# Altium PCB Main - Backup.PcbDoc (part 1 of 4)
Units mil, origin at the board's own origin, x right, y up, seen from the top; angles counter-clockwise.
Board outline 3937.01 x 2362.21 mil, 2 copper layers (Top Layer, Bottom Layer); 313 components, 187 nets, 894 pads, 443 vias.
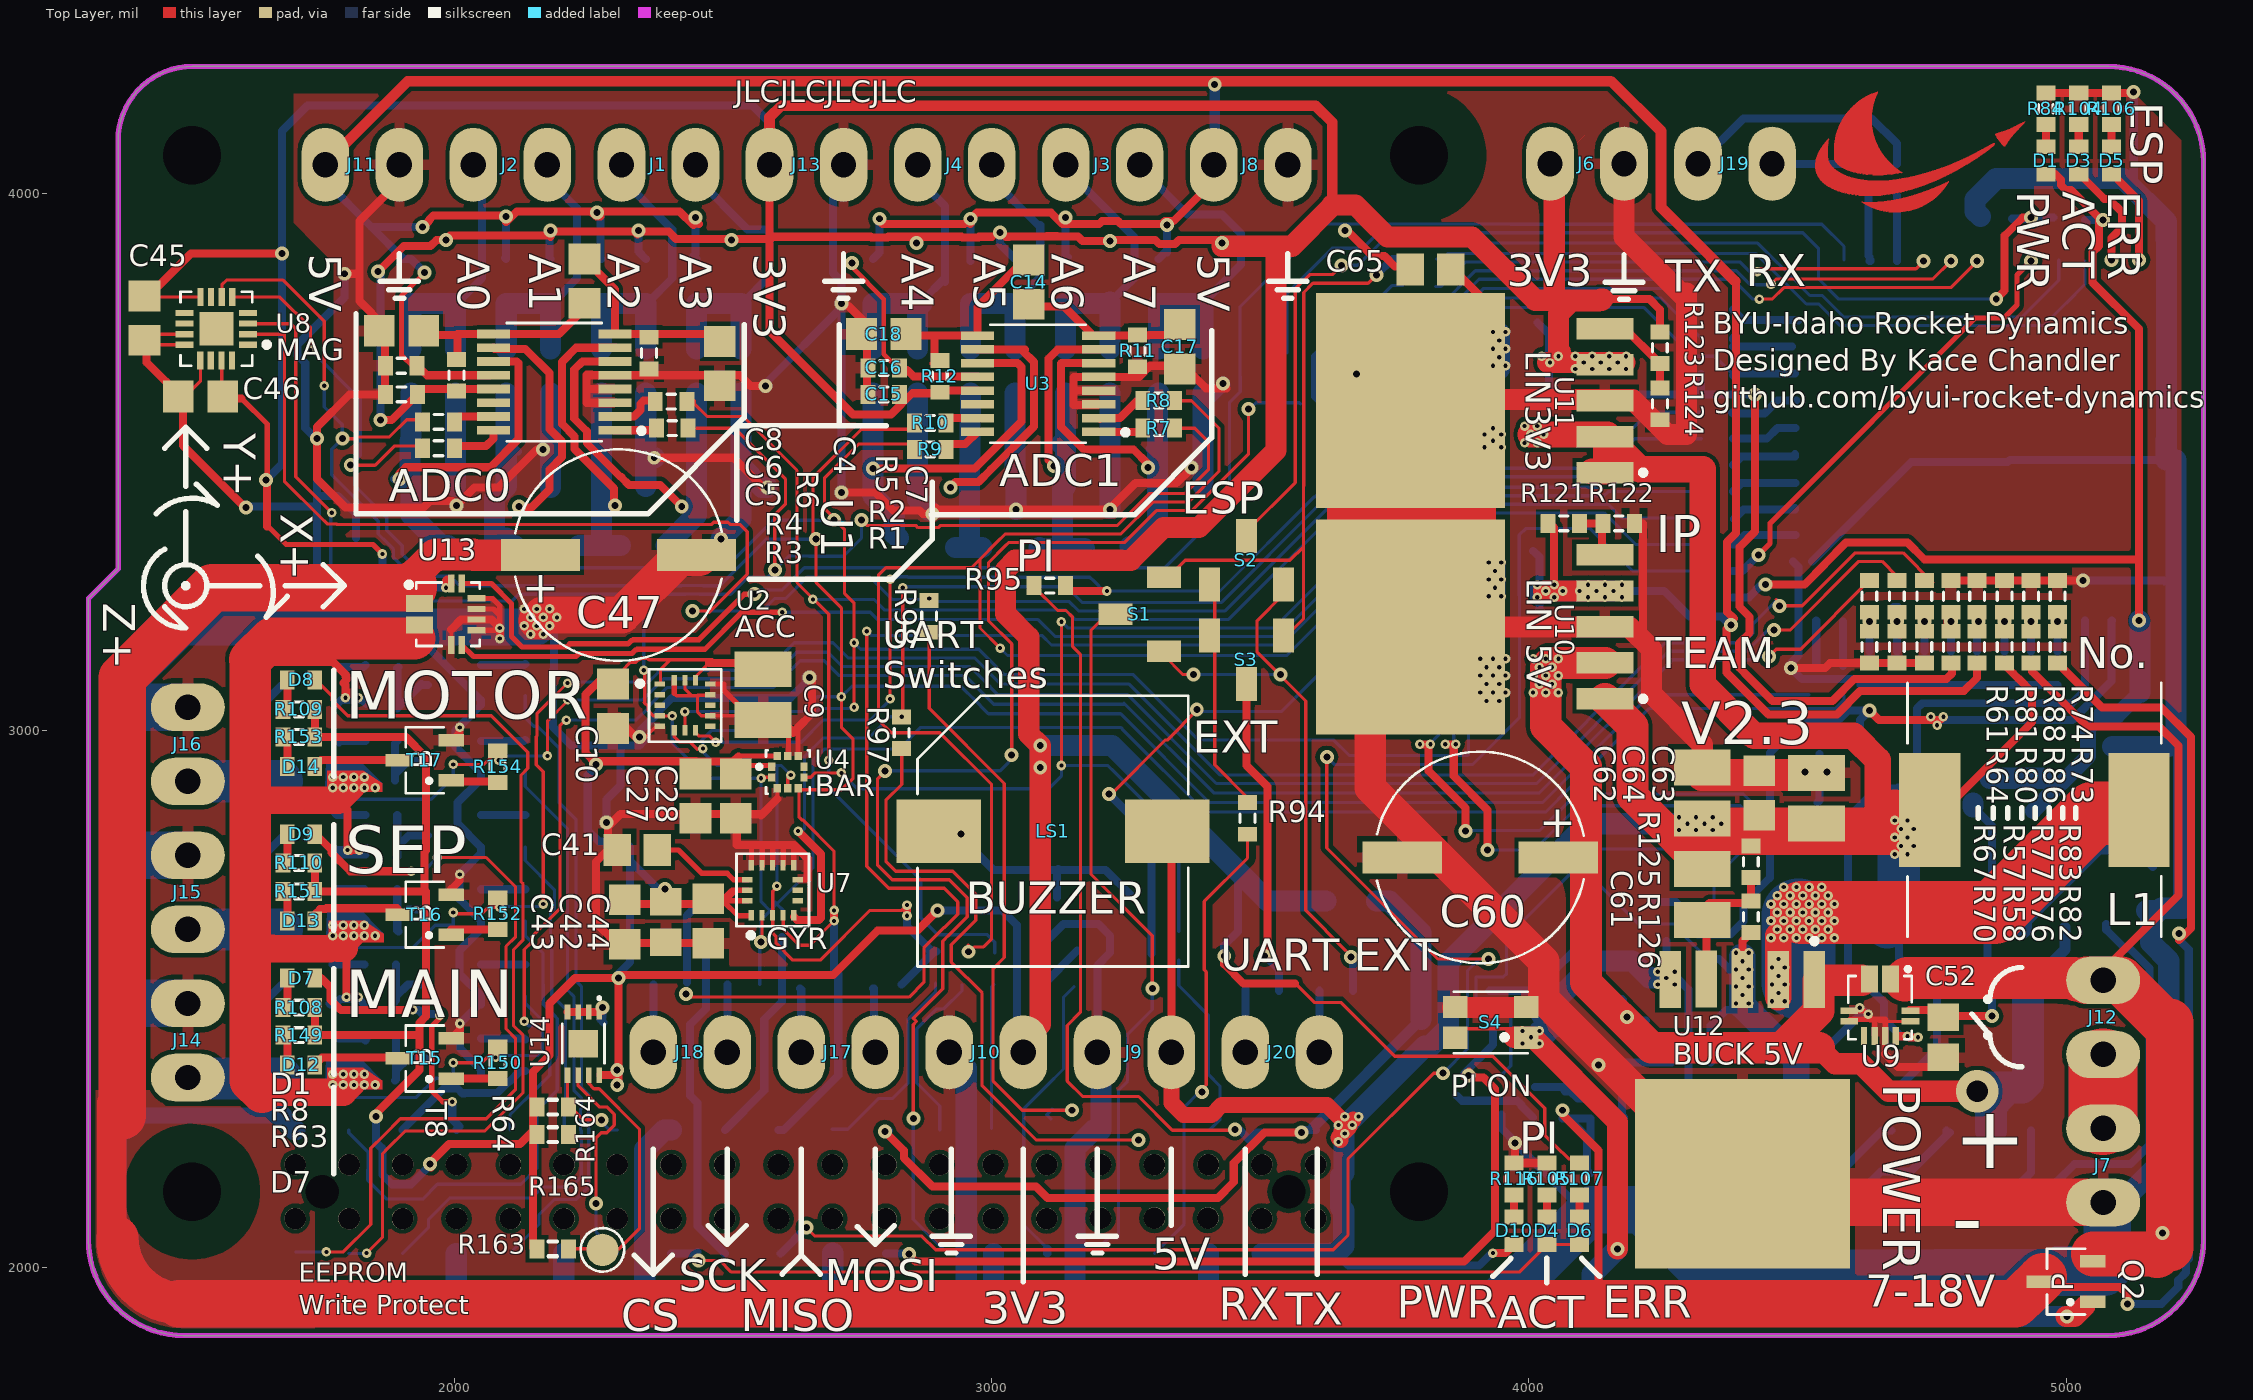
[diagram p0: Top Layer view]
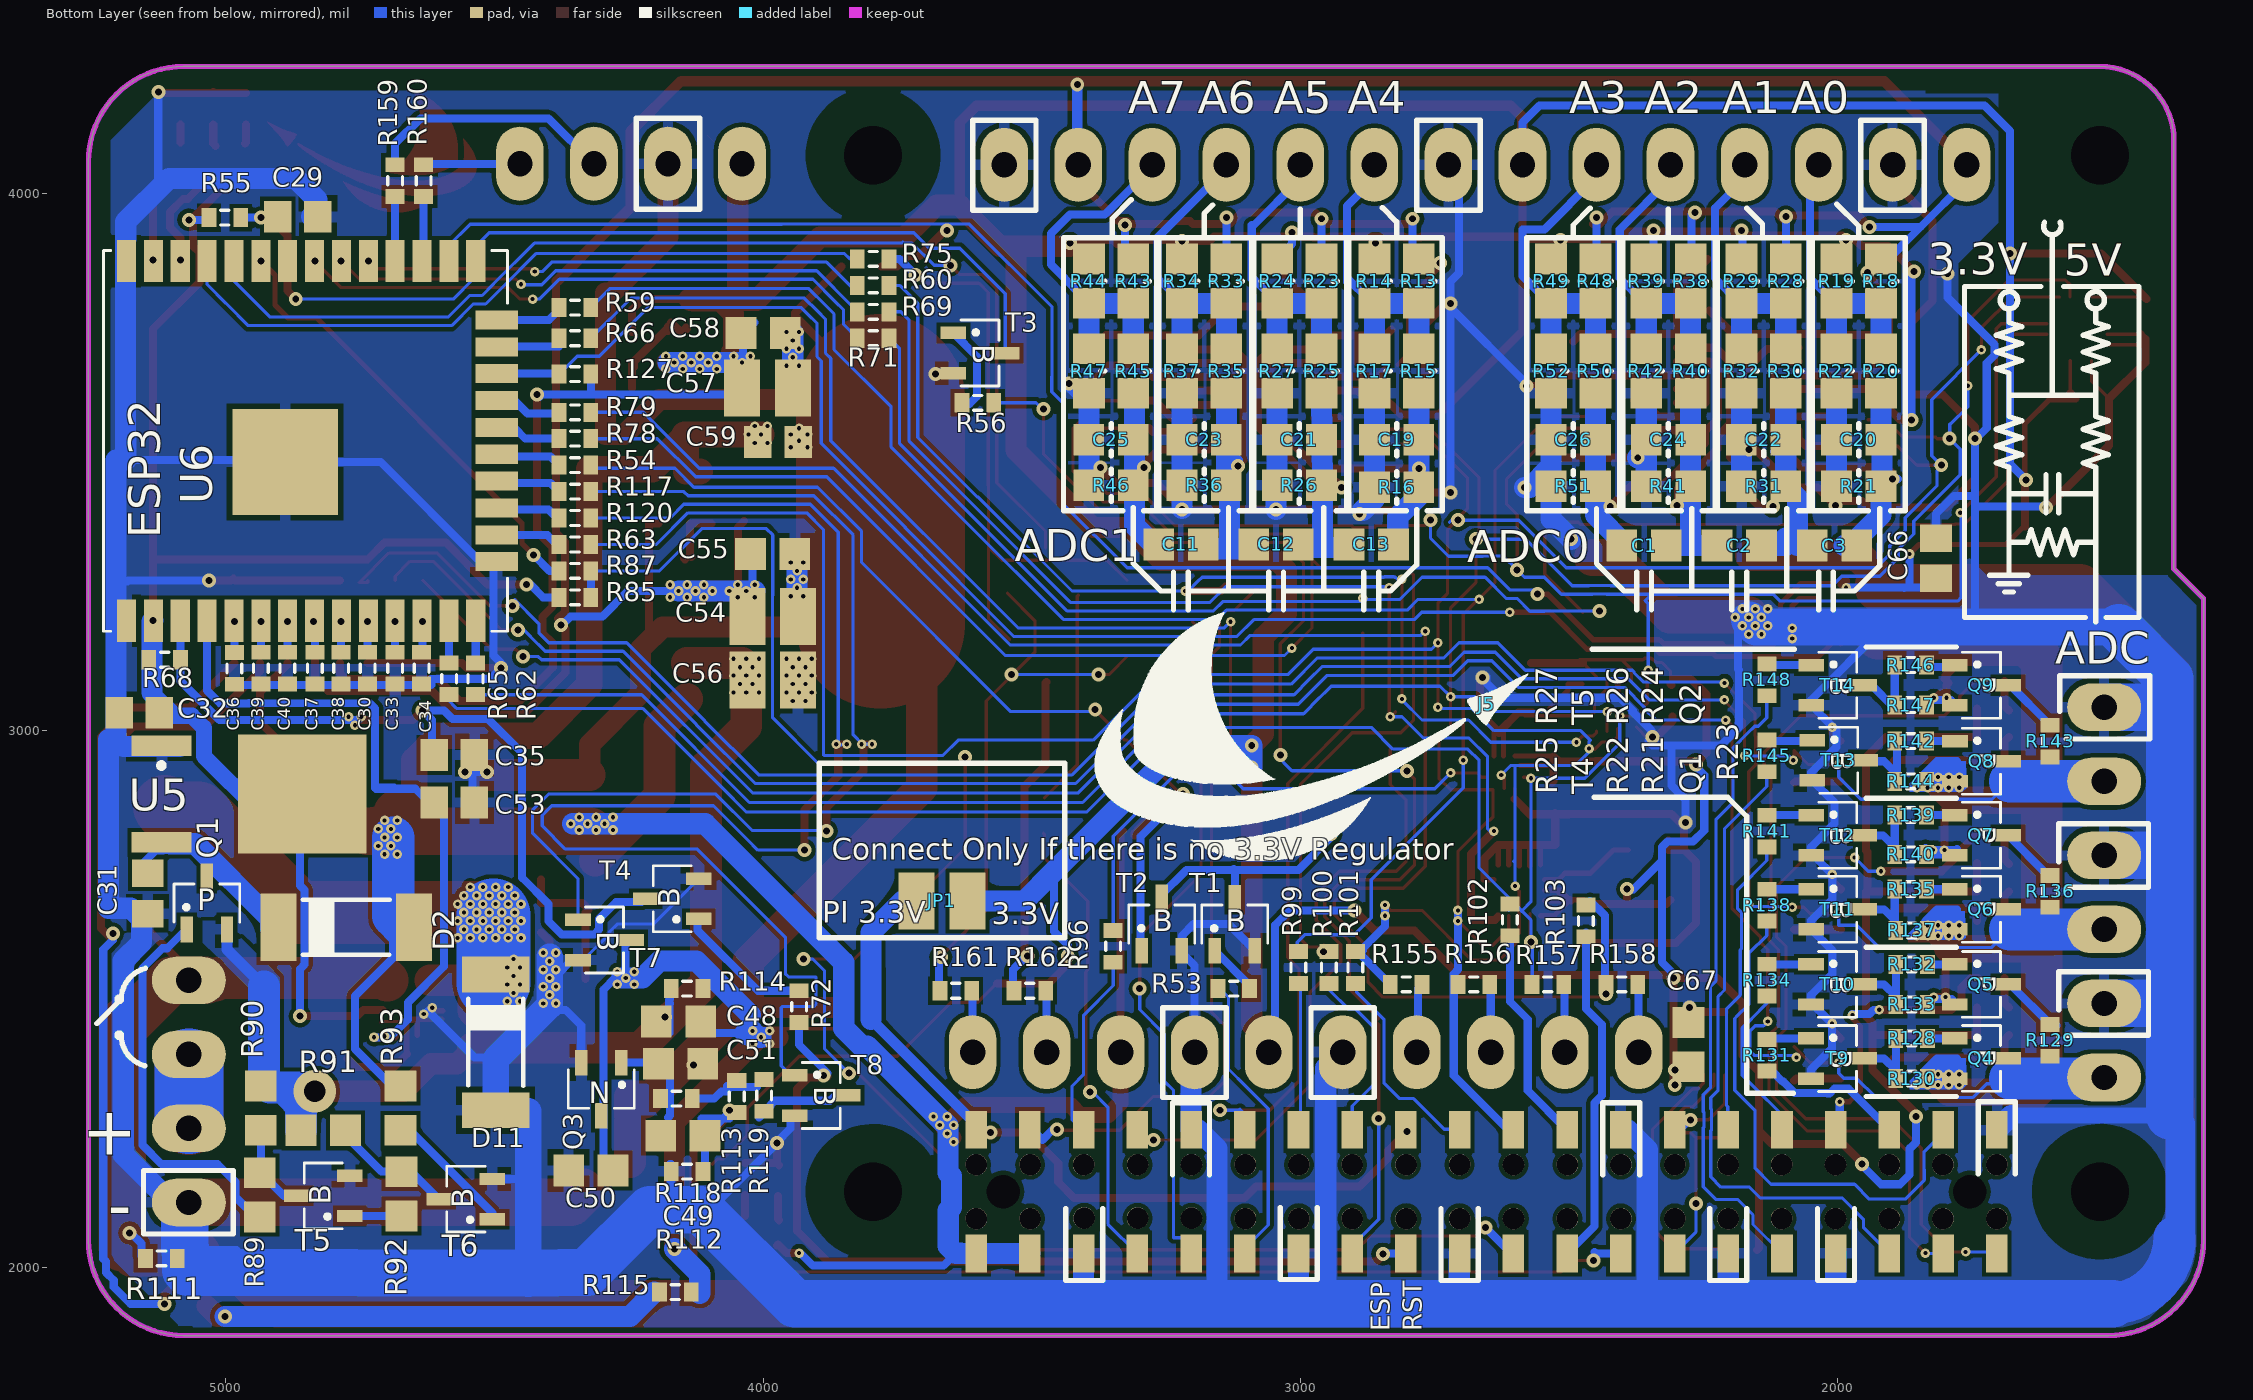
[diagram p1: Bottom Layer view, seen from below]

## Layer stack, top to bottom
Top Solder: solder mask 0.4, Solder Resist, Dk 3.5
Top Layer: signal copper 1.4
Dielectric 1: dielectric 12.6, FR-4, Dk 4.8
Bottom Layer: signal copper 1.4
Bottom Solder: solder mask 0.4, Solder Resist, Dk 3.5

## Board outline
1318.9,2051.18 1318.9,3246.06 1374.02,3301.18 1374.02,4098.43 cw(c1511.81,4098.43) 1511.81,4236.22 5078.74,4236.21 5078.74,4236.22 cw(c5078.74,4059.06) 5255.91,4059.06 5255.9,2051.18 5255.91,2051.18 cw(c5078.74,2051.18) 5078.74,1874.02 5078.74,1874.01 1496.06,1874.01 1496.07,1874.01 cw(c1496.07,2051.17)

## Design rules (kind name [scope] priority, off if disabled: settings)
BoardOutlineClearance [All] p1: gap=7.87 ignorepadtopadclearanceinfootprint=FALSE except(15.75: Arc-SplitBarrior Arc-SplitContinuation Track-SplitBarrior Track-SplitContinuation SMDPad-SplitBarrior SMDPad-SplitContinuation THPad-SplitBarrior THPad-SplitContinuation Via-SplitBarrior Via-SplitContinuation Fill-SplitBarrior Fill-SplitContinuation Poly-SplitBarrior Poly-SplitContinuation Region-SplitBarrior Region-SplitContinuation Text-SplitBarrior Text-SplitContinuation)
Clearance "Clearance Bottom Layer" [OnLayer('Bottom Layer')] p1: gap=8 ignorepadtopadclearanceinfootprint=TRUE except(10: Arc-Text Track-Text SMDPad-Text THPad-Text Via-Text Fill-Text Poly-Text Region-Text Text-Text)
Clearance "Clearance Top Layer" [OnLayer('Top Layer')] p2: gap=8 ignorepadtopadclearanceinfootprint=TRUE except(10: Arc-Text Track-Text SMDPad-Text THPad-Text Via-Text Fill-Text Poly-Text Region-Text Text-Text)
Clearance [All] p3: gap=7.87 ignorepadtopadclearanceinfootprint=FALSE except(3.5: Arc-Arc Arc-Track Arc-SMDPad Track-Track Track-SMDPad SMDPad-SMDPad; 5: Arc-Via Track-Via SMDPad-Via THPad-Via Via-Via; 10: Arc-Text Track-Text SMDPad-Text THPad-Text Via-Text Fill-Text Poly-Text Region-Text Text-Text)
ComponentClearance [HasFootprint('Screw Terminal') vs HasFootprint('Screw Terminal')] p1: gap=0 collisioncheckmode=3 verticalgap=0 showdistances=FALSE
ComponentClearance ComponentClearance_2 [InComponent('No Component') And OnLayer('Top Layer')] p2: gap=10 collisioncheckmode=3 verticalgap=10 showdistances=FALSE
ComponentClearance ComponentClearance_1 [All] p3: gap=10 collisioncheckmode=3 verticalgap=10 showdistances=FALSE
HoleSize [All] p1: absolutevalues=TRUE maxlimit=248.03 minlimit=7.87 maxpercent=80.000 minpercent=20.000
MinimumAnnularRing [All] p1: minimumring=3
MinimumSolderMaskSliver [All] p1: minsoldermaskwidth=3.94
PolygonConnect PolygonConnect_1 [All] p1: thpad.connectstyle=Relief thpad.reliefconductorwidth=20 thpad.reliefentries=4 thpad.polygonreliefangle="90 Angle" thpad.airgapwidth=10 smdpad.connectstyle=Relief smdpad.reliefconductorwidth=20 smdpad.reliefentries=4 smdpad.polygonreliefangle="90 Angle" smdpad.airgapwidth=10 via.connectstyle=Direct via.reliefconductorwidth=20 via.reliefentries=4 via.polygonreliefangle="90 Angle" via.airgapwidth=10
RoutingCorners [All] p1: cornerstyle=Round minsetback=100 maxsetback=100
RoutingVias [All] p1: holewidth=19.68 width=39.37 viastyle="Through Hole" minholewidth=7.87 minwidth=17.72 maxholewidth=39.37 maxwidth=78.74
SilkToSilkClearance [All] p1: silktosilkclearance=3.94
SilkToSolderMaskClearance [IsPad] p1: minsilkscreentomaskgap=3.94 clearancetoexposedcopper=TRUE
SolderMaskExpansion [IsVia] p1: expansion=0 soldermaskfromhole=TRUE
Width [All] p1: maxlimit=393.7 minlimit=3.5 preferedwidth=15
24 further rules are at their usual default settings.

## Classes and differential pairs
component class U_EEPROM: C67 R163 R164 R165 U14
component class Main_Squib: J14 Q4 Q5 R128 R129 R130 R131 R132 R133 R134 T9 T10
component class ESP: C29 C30 C31 C32 C33 C34 C35 C36 C37 C38 C39 C40 D1 R55 R56 R57 R58 R59 R60 R61 R62 R63 R64 R65 R66 R67 R68 R69 R70 R71 R72 R73 R74 R75 R76 R77 R78 R79 R80 R81 R82 R83 R84 R85 R86 R87 R88 T3 T4 U5 U6
component class Magnetometer: C45 C46 U8
component class "UART EXT": J20 J? R161 R162 R?
component class AIN21: C24 C? R38 R39 R40 R41 R42 R?
component class AIN12: C21 C? R23 R24 R25 R26 R27 R?
component class AIN11: C22 C? R28 R29 R30 R31 R32 R?
component class ACT_IndESP: D3 D? R104
component class AIN32: C25 C? R43 R44 R45 R46 R47 R?
component class "ADC 2": C11 C12 C13 C14 C15 C16 C17 C18 C? J3 J4 J? R7 R8 R9 R10 R11 R12 R? U3 U?
component class Gyroscope: C41 C42 C43 C44 C? D? L? R? U7 U?
component class AIN02: C19 C? R13 R14 R15 R16 R17 R?
component class AIN01: C20 C? R18 R19 R20 R21 R22 R?
component class ACT_IND: D6 D? R107
component class AIN22: C23 C? R33 R34 R35 R36 R37 R?
channel class "UART Output": "ESP UART Output" "U_UART EXT"
component class Sep_Squib: J16 J? Q8 Q9 Q? R142 R143 R144 R145 R146 R147 R148 R? T13 T14 T?
component class Main: J5 J? R94 R95 R96 R100 R101 R102 R103 R163 R164 R165 R?
component class PWR: C48 C49 C50 C51 C53 C67 D10 J? JP1 Q2 Q3 Q? R111 R112 R113 R114 R115 R116 R117 R118 R119 R120 R? S4 T7 T8 T? U9
component class Voltage_Indicator1: D12 D? R149 R150 R? T15 T?
component class Motor_Squib: J15 J? Q6 Q7 Q? R135 R136 R137 R138 R139 R140 R141 R? T11 T12 T?
component class Voltage_Indicator2: D13 D? R151 R152 R? T16 T?
component class "U_ESP power": D2 D? Q1 Q? R89 R90 R91 R92 R93 R? T5 T6 T?
component class "ESP UART Output": J19 J? R159 R160 R?
component class "SPI Output": J17 J18 J? R155 R156 R157 R158 R?
channel class No_Transistor_LED_INV: Main_IND Motor_IND Sep_IND
component class "U_Power IO": J6 J7 J8 J9 J10 J11 J12 J13 J?
channel class Transistor_LED: "U_ESP power" Voltage_Indicator3
channel class No_Transistor_LED: ACT_Ind1 ERR_IndESP ERR_IndPi Main_Ind Motor_Ind Motor_IND Sep_Ind
component class Voltage_Indicator3: D7_Voltage_Indicator3 D14 D? R63_Voltage_Indicator3 R64_Voltage_Indicator3 R153 R154 R? T8_Voltage_Indicator3 T17 T?
component class ERR_IndPi: D3_ERR_Ind2 D4 D? R19_ERR_Ind2 R105
component class ERR_IndESP: D3_ERR_Ind1 D5 D? R19_ERR_Ind1 R106
component class Motor_IND: D3_ACT_Ind2 D8 D? R19_ACT_Ind2 R109
component class Sep_Ind: D9 D? R110
component class Main_Ind: D7 D? R108
component class UART: S1 S2 S3 S?
component class Buzzer: LS1 LS? R53 R54 R? T1 T2 T?
channel class "ADC RC Network": "ADC 1" "ADC 2" AIN31 ESP Gyroscope PWR Squib_Managment
component class AIN31: C26 C? R48 R49 R50 R51 R52 R? RGND2_AIN32
component class Squib_Managment: C65 C66 C? D? R127 R? RGND2_AIN21 T? U14 U?
component class "ADC 1": C1 C2 C3 C4 C5 C6 C7 C8 C? J1 J2 J? R1 R2 R3 R4 R5 R6 R? RGND2_AIN11 U1 U?
channel class Squibs: Motor_Squib Sep "U_ESP power"
channel class ADC: "ADC 2" U_ADC2
component class Regulators: C54 C55 C56 C57 C58 C59 C61 C62 C63 C64 C? D11 L1 R121 R122 R123 R124 R125 R126 U10 U11 U12 U?
component class Barometer: C27 C28 C? U4 U?
component class Accelerometer: C9 C10 C? U2 U?

## Components (designator, comment, footprint, x,y, rotation, side; value= is the part's Value field where it differs from the comment)
C1 "Cap" "0603 TO 0805 SMD" 2360.24,3344.49 r0 bottom locked value="Value depends on use case" (schematic designator C3)
C2 "Cap" "0603 TO 0805 SMD" 2183.07,3344.49 r180 bottom locked value="Value depends on use case" (schematic designator C4)
C3 "Cap" "0603 TO 0805 SMD" 2005.91,3344.49 r0 bottom locked value="Value depends on use case" (schematic designator C5)
C4 "Cap" "0603 to 0805 SMD" 2242.13,3836.61 r270 top locked value=100nF (schematic designator C6)
C5 "Cap" "0603 FOOTPRINT" 1901.57,3625.98 r0 top locked value=100nF (schematic designator C7)
C6 "Cap" "0603 FOOTPRINT" 1901.18,3679.13 r0 top locked value=100nF (schematic designator C8)
C7 "Cap" "0603 to 0805 SMD" 2494.09,3683.07 r90 top locked value=10nF (schematic designator C9)
C8 "Cap" "0603 to 0805 SMD" 1901.57,3744.09 r0 top locked value=10nF (schematic designator C10)
C9 "Cap" "0603 to 1210 SMD" 2574.8,3066.93 r90 top locked value=10uF (schematic designator C1)
C10 "Cap" "0603 to 0805 SMD" 2295.28,3045.28 r90 top locked value=100nF (schematic designator C2)
C11 "Cap" "0603 TO 0805 SMD" 3222.44,3346.46 r0 bottom locked value="Value depends on use case" (schematic designator C3)
C12 "Cap" "0603 TO 0805 SMD" 3045.28,3346.46 r180 bottom locked value="Value depends on use case" (schematic designator C4)
C13 "Cap" "0603 TO 0805 SMD" 2868.11,3346.46 r0 bottom locked value="Value depends on use case" (schematic designator C5)
C14 "Cap" "0603 to 0805 SMD" 3068.9,3834.65 r90 top locked value=100nF (schematic designator C6)
C15 "Cap" "0603 FOOTPRINT" 2799.21,3625.98 r0 top locked value=100nF (schematic designator C7)
C16 "Cap" "0603 FOOTPRINT" 2799.21,3675.2 r0 top locked value=100nF (schematic designator C8)
C17 "Cap" "0603 to 0805 SMD" 3350.39,3714.57 r90 top locked value=10nF (schematic designator C9)
C18 "Cap" "0603 to 0805 SMD" 2799.21,3738.19 r0 top locked value=10nF (schematic designator C10)
C19 "Cap" "0603 TO 0805 SMD" 2820.87,3541.34 r180 bottom locked value="Value depends on use case" (schematic designator C31)
C20 "Cap" "0603 TO 0805 SMD" 1960.63,3541.34 r180 bottom locked value="Value depends on use case" (schematic designator C31)
C21 "Cap" "0603 TO 0805 SMD" 3001.97,3541.34 r180 bottom locked value="Value depends on use case" (schematic designator C31)
C22 "Cap" "0603 TO 0805 SMD" 2137.8,3541.34 r180 bottom locked value="Value depends on use case" (schematic designator C31)
C23 "Cap" "0603 TO 0805 SMD" 3179.13,3541.34 r180 bottom locked value="Value depends on use case" (schematic designator C31)
C24 "Cap" "0603 TO 0805 SMD" 2314.96,3541.34 r180 bottom locked value="Value depends on use case" (schematic designator C31)
C25 "Cap" "0603 TO 0805 SMD" 3352.36,3541.34 r180 bottom locked value="Value depends on use case" (schematic designator C31)
C26 "Cap" "0603 TO 0805 SMD" 2492.13,3541.34 r180 bottom locked value="Value depends on use case" (schematic designator C31)
C27 "Cap" "0603 to 0805 SMD" 2448.82,2877.95 r90 top locked value=100nF (schematic designator C11)
C28 "Cap" "0603 to 0805 SMD" 2523.62,2877.95 r90 top locked value=100nF (schematic designator C12)
C29 "Cap" "0805 Footprint" 4866.14,3956.69 r0 bottom locked value=100nF (schematic designator C19)
C30 "Cap" "0603 FOOTPRINT" 4736.22,3116.14 r90 bottom locked value=100nF (schematic designator C20)
C31 "Cap" "0805 Footprint" 5145.67,2696.85 r90 bottom locked value=10uF (schematic designator C21)
C32 "Cap" "0805 Footprint" 5161.42,3033.46 r180 bottom locked value=10uF (schematic designator C22)
C33 "Cap" "0603 FOOTPRINT" 4685.04,3116.14 r90 bottom locked value=100nF (schematic designator C23)
C34 "Cap" "0603 FOOTPRINT" 4635.83,3116.14 r90 bottom locked value=100nF (schematic designator C24)
C35 "Cap" "0805 Footprint" 4574.8,2954.72 r0 bottom locked value=100nF (schematic designator C25)
C36 "Cap" "0603 FOOTPRINT" 4984.25,3115.75 r90 bottom locked value=100nF (schematic designator C26)
C37 "Cap" "0603 FOOTPRINT" 4834.65,3116.14 r90 bottom locked value=100nF (schematic designator C27)
C38 "Cap" "0603 FOOTPRINT" 4785.43,3116.14 r90 bottom locked value=100nF (schematic designator C28)
C39 "Cap" "0603 FOOTPRINT" 4935.04,3116.14 r90 bottom locked value=100nF (schematic designator C29)
C40 "Cap" "0603 FOOTPRINT" 4885.83,3116.14 r90 bottom locked value=100nF (schematic designator C30)
C41 "Cap" "0805 Footprint" 2340.55,2777.56 r180 top locked value=10uF (schematic designator C13)
C42 "Cap" "0805 Footprint" 2393.7,2643.7 r90 top locked value=10uF (schematic designator C14)
C43 "Cap" "0603 to 0805 SMD" 2316.93,2643.7 r90 top locked value=100nF (schematic designator C15)
C44 "Cap" "0603 to 0805 SMD" 2472.44,2645.67 r90 top locked value=100nF (schematic designator C16)
C45 "Cap" "0603 to 0805 SMD" 1423.23,3767.72 r90 top locked value=100nF (schematic designator C17)
C46 "Cap" "0603 to 0805 SMD" 1527.56,3622.05 r0 top locked value=100nF (schematic designator C18)
C47 "Cap" "ELECTROLYTIC CAP" 2305.59,3326.77 r180 top locked value=100pF (schematic designator C32)
C48 "Cap" "0603 TO 0805 SMD" 4157.48,2458.66 r0 bottom locked value=100nF (schematic designator C33)
C49 "Cap" "0603 TO 0805 SMD" 4149.61,2246.06 r180 bottom locked value=2.2uF (schematic designator C34)
C50 "Cap" "0603 TO 0805 SMD" 4320.87,2181.1 r180 bottom locked value=2.2uF (schematic designator C35)
C51 "Cap" "0603 TO 0805 SMD" 4153.54,2379.92 r0 bottom locked value=100nF (schematic designator C36)
C52 "Cap" "0805 Footprint" 4771.65,2429.13 r90 top locked value=100nF (schematic designator C37)
C53 "Cap" "0805 Footprint" 4574.8,2866.14 r0 bottom locked value=100nF (schematic designator C38)
C54 "Cap" "0603 to 1210 SMD" 3982.28,3212.6 r0 bottom locked value=22uF (schematic designator C41)
C55 "Cap" "0603 TO 0805 SMD" 3982.28,3328.74 r0 bottom locked value=1uF (schematic designator C42)
C56 "Cap" "0603 to 1210 SMD" 3982.28,3094.49 r0 bottom locked value=22uF (schematic designator C43)
C57 "Cap" "0603 to 1210 SMD" 3992.13,3637.8 r0 bottom locked value=22uF (schematic designator C44)
C58 "Cap" "0603 TO 0805 SMD" 4000,3740.16 r0 bottom locked value=1uF (schematic designator C45)
C59 "Cap" "0805 Footprint" 3972.44,3537.4 r0 bottom locked value=10uF (schematic designator C46)
C60 "Cap" "ELECTROLYTIC CAP" 3909.45,2763.78 r0 top locked value=820uF (schematic designator C47)
C61 "Cap" "0603 to 1210 SMD" 4322.83,2694.88 r90 top locked value="5.6 uF" (schematic designator C48)
C62 "Cap" "0603 to 1210 SMD" 4322.83,2883.86 r270 top locked value=100uF (schematic designator C49)
C63 "Cap" "0603 to 1210 SMD" 4535.43,2874.02 r270 top locked value=100uF (schematic designator C50)
C64 "Cap" "0603 to 0805 SMD" 4429.13,2883.86 r270 top locked value=1uF (schematic designator C51)
C65 "Cap" "0805 Footprint" 3816.93,3858.27 r180 top locked value=100nF (schematic designator C39)
C66 "Cap" "0805 Footprint" 1816.93,3320.87 r270 bottom locked value=100nF (schematic designator C40)
C67 "Cap" "0603 to 0805 SMD" 2277.56,2415.35 r270 bottom locked value=100nF (schematic designator C52)
D1 "LED_R" "0402 footprint" 4962.6,4061.02 r90 top locked (schematic designator D2)
D2 "Buck Diode" *DO-214AC 4822.83,2633.86 r180 bottom locked (schematic designator D5)
D3 "LED_R" "0402 footprint" 5023.62,4061.02 r90 top locked (schematic designator D1)
D4 "LED_R" "0402 footprint" 4033.46,2068.9 r90 top locked (schematic designator D1)
D5 "LED_R" "0402 footprint" 5084.65,4061.02 r90 top locked (schematic designator D1)
D6 "LED_R" "0402 footprint" 4094.49,2068.9 r270 top locked
D7 "LED_R" "0402 footprint" 1714.57,2539.37 r0 top locked (schematic designator D6)
D8 "LED_R" "0402 footprint" 1714.57,3094.49 r0 top locked (schematic designator D6)
D9 "LED_R" "0402 footprint" 1714.57,2807.09 r0 top locked (schematic designator D6)
D10 "LED_R" "0402 footprint" 3972.44,2068.9 r90 top locked (schematic designator D4)
D11 "Buck Diode" *DO-214AC 4498.03,2466.54 r270 bottom locked (schematic designator D7)
D12 "LED_B" "0402 footprint" 1714.57,2377.95 r0 top locked (schematic designator D3)
D13 "LED_B" "0402 footprint" 1714.57,2645.67 r0 top locked (schematic designator D3)